# Altium PCB shepherd_pcb_v2.2.PcbDoc (part 2 of 3)
Units mm, origin at the board's own origin, x right, y up, seen from the top; angles counter-clockwise.
Board outline 75.18 x 54.61 mm, 4 copper layers (L1, L2P, L3, L4), stack 1.59 mm thick; 336 components, 223 nets, 1078 pads, 453 vias.
Unrouted connection lines stored in the file: 2.
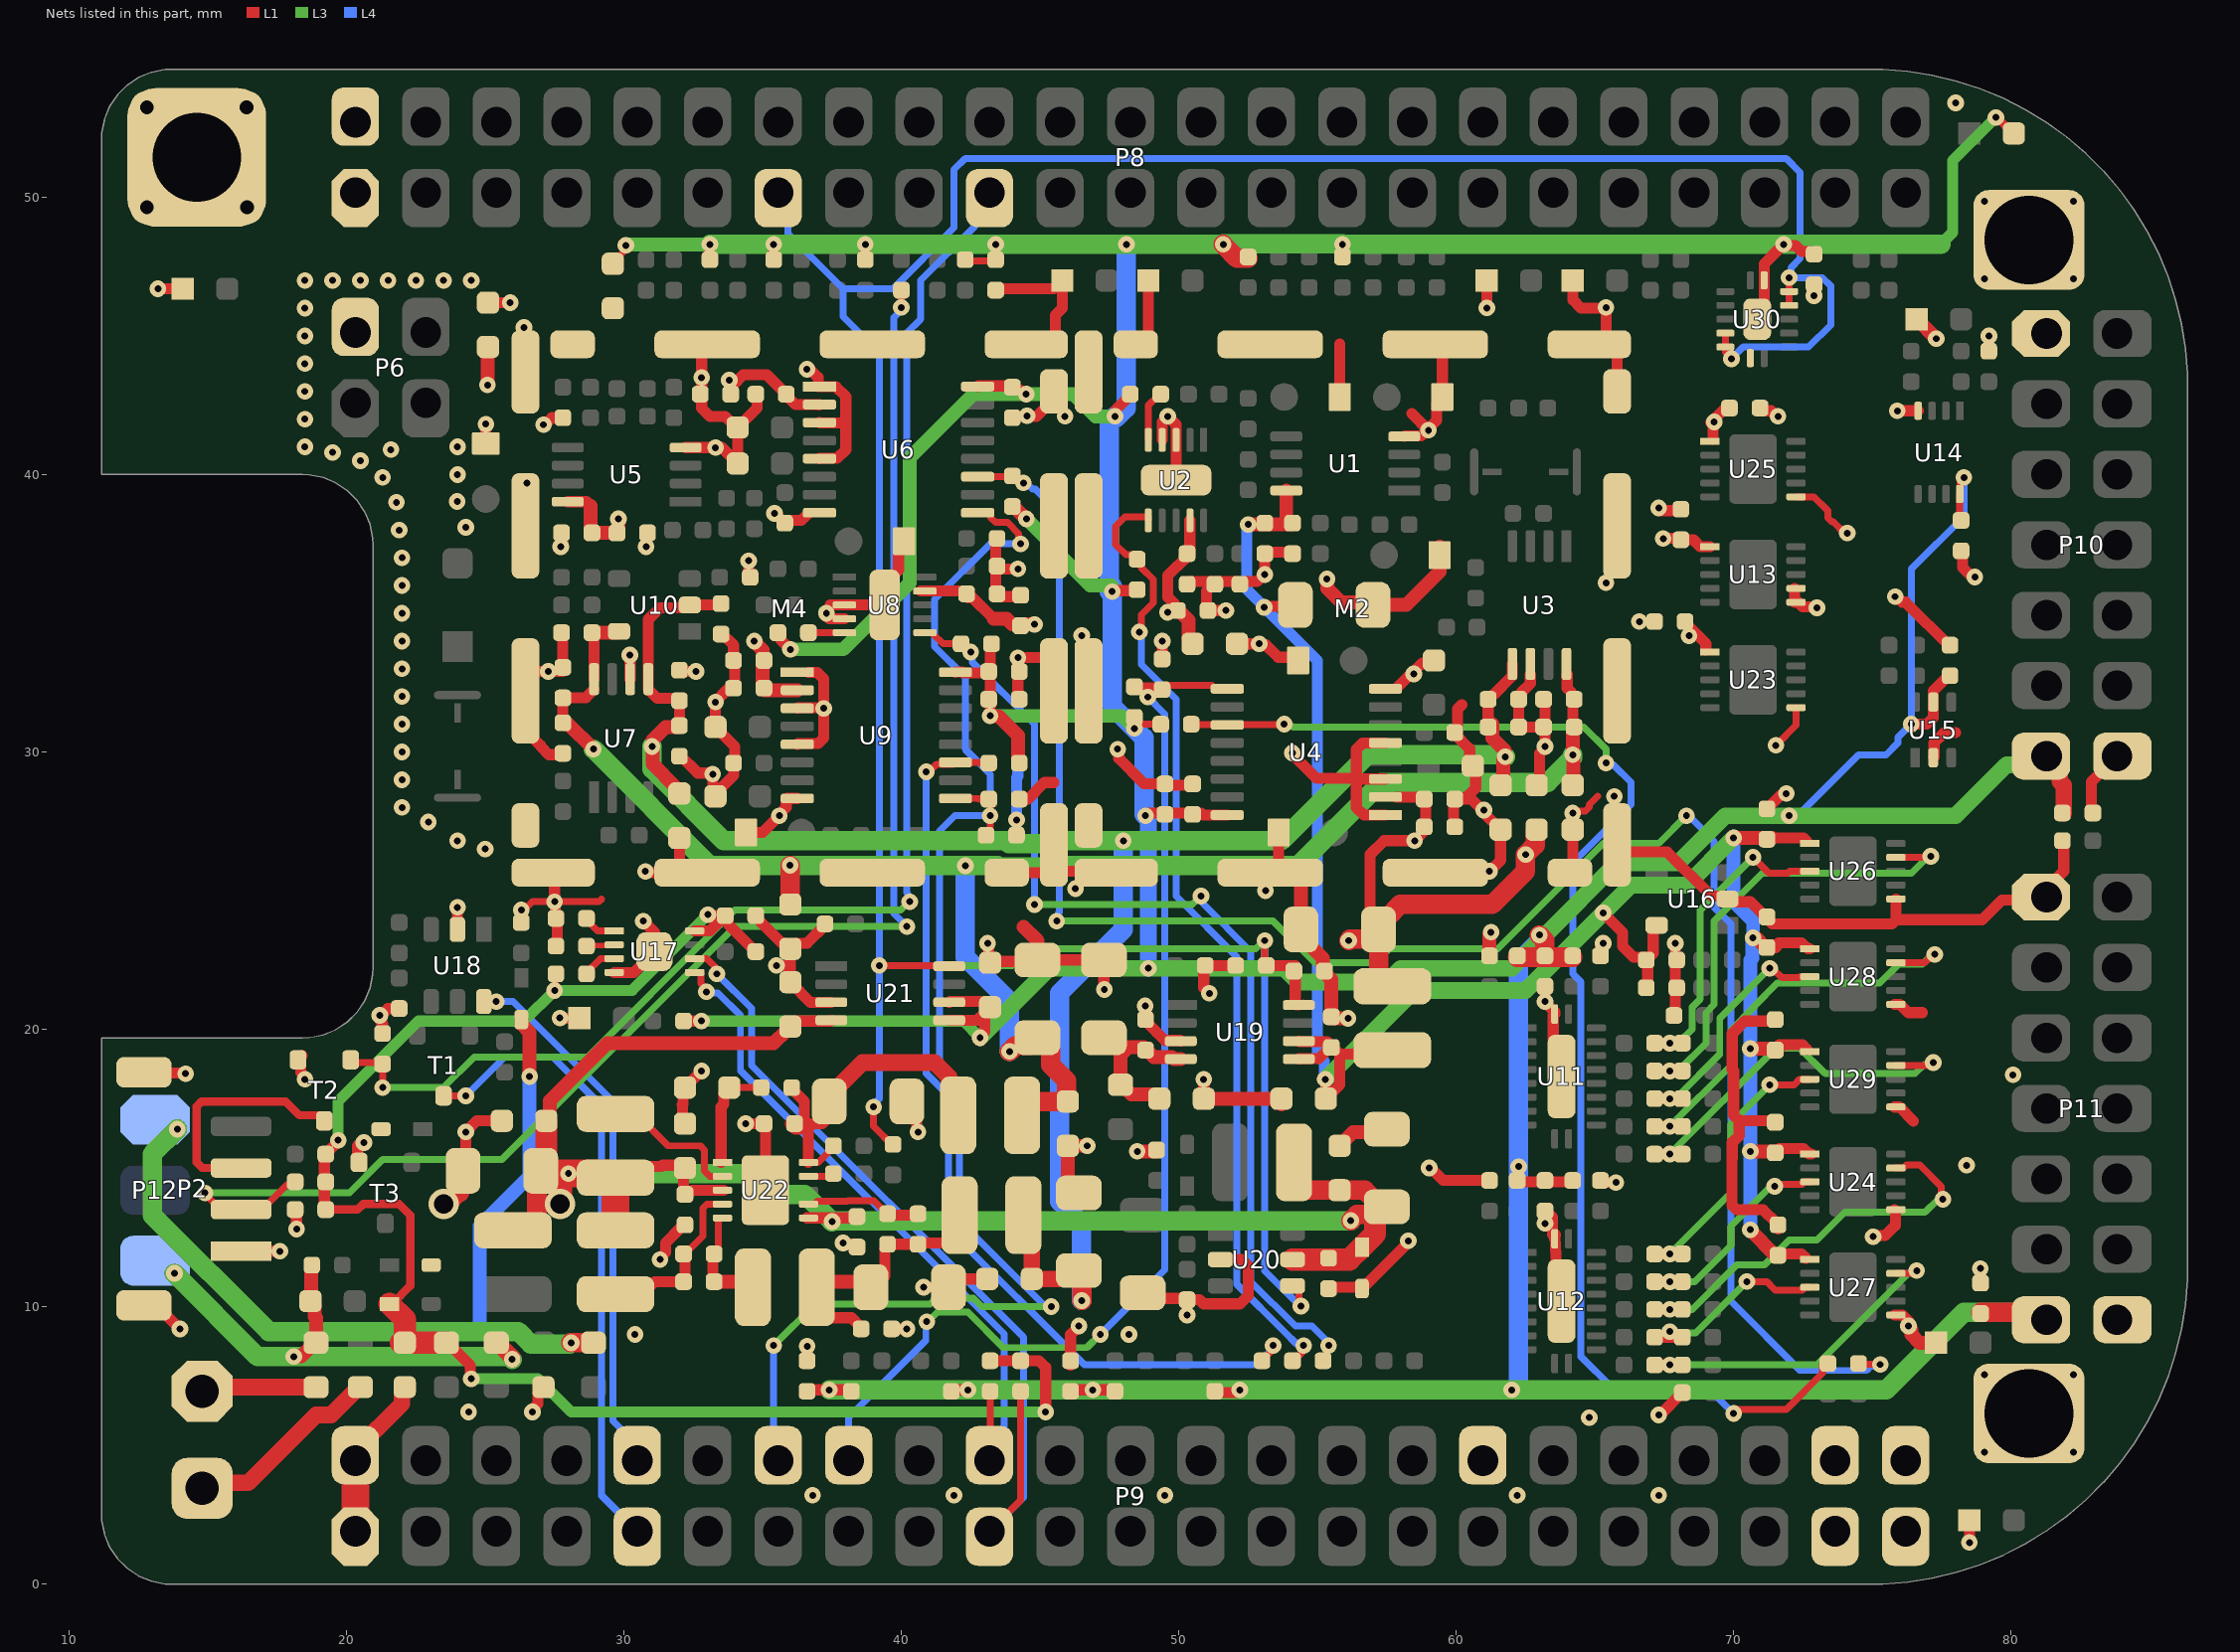
[diagram p4: the nets of this part, all layers, seen from the top]

## Part data
C1 C3 C28 C29 C34 C36 C73: library part .C_0402_1nF_50V, "Capacitor", Dielectric=C0G, Manufacturer=Murata, Manufacturer PN=GRM1555C1H102JA01D, Tolerance=5%, Distributer=Mouser, Distributer PN=81-GRM1555C1H102JA1D, Price n10 [€]=0.02, V_max=50V
C2 C4 C6 C11 C12 C14 C17 C20 C22 C27 C30 C35 C37 C43 C46 C49 C52 C54 C56 C58 C60 C62 C63 C65 C66 C67 C70 C71 C74 C78 C79 C80 C84 C85 C86 C91 C105 C108 C118 C120 C122 C123 C124 C125 C126 C127 C128 C129: library part .C_0402_100nF_16V, "Capacitor", Dielectric=X7R, Manufacturer="Taiyo Yuden", Manufacturer PN=EMF105B7104MVHF, Tolerance=20%, Distributer=Mouser, Distributer PN=963-EMF105B7104MVHF, Price n10 [€]=0.03, V_max=16V
C5 C7 C10 C13 C15 C18 C21 C23 C31 C38 C39 C42 C44 C45 C47 C50 C53 C55 C57 C59 C61 C64 C68 C69 C72 C75 C81 C98 C99 C106 C109 C113 C119 C121: library part .C_0402_1uF_25V, "Capacitor", Dielectric=X5R, Manufacturer=Murata, Manufacturer PN=GRM155R61E105KA12J, Tolerance=10%, Distributer=Mouser, Distributer PN=81-GRM155R61E105KA2J, Price n10 [€]=0.06, V_max=25V
C8 C9 C16 C19 C24 C25 C26 C32 C33 C40 C41 C48 C51 C76 C77 C87 C90 C92 C94 C95 C97 C100 C103 C107 C111 C115 C117: library part .C_0603_10uF_16V, "Capacitor", Dielectric=X5R, Manufacturer="Taiyo Yuden", Manufacturer PN=EMK107BBJ106MA-T, Tolerance=20%, Distributer=Mouser, Distributer PN=963-EMK107BBJ106MA-T, Price n10 [€]=0.14, V_max=16V
C82 C88 C89 C101 C102: library part .C_1206_100uF_6V3, "Capacitor", Dielectric=X5R, Manufacturer="Taiyo Yuden", Manufacturer PN=JMK316ABJ107ML-T, Tolerance=20%, Distributer=Mouser, Distributer PN=963-JMK316ABJ107ML-T, Price n10 [€]=0.25, V_max=6V3
C83 C110 C112 C114 C116: library part .C_1206_47uF_10V, "Capacitor", Dielectric=X5R, Manufacturer="Taiyo Yuden", Manufacturer PN=LMK316ABJ476ML-T, Tolerance=20%, Distributer=Mouser, Distributer PN=963-LMK316ABJ476ML-T, Price n10 [€]=0.23, V_max=10V
C93 C96: library part .C_0402_10nF_25V, "Capacitor", Dielectric=X7R, Manufacturer=Murata, Manufacturer PN=GCM155R71E103KA37D, Tolerance=10%, Distributer=Mouser, Distributer PN=81-GCM155R71E103KA7D, Price n10 [€]=0.02, V_max=25V
C104: library part .C_0402_47pF_50V, "Capacitor", Dielectric=C0G, Manufacturer=Kemet, Manufacturer PN=C0402C470K5GACTU, Tolerance=10%, Distributer=Mouser, Distributer PN=80-C0402C470K5G, Price n10 [€]=0.01, V_max=50V
D1: library part .D_SOD123W_710mV_1A, "Diode Si, 710mV 1A forward, 100V 40nA reverse, 50A Surge,", Manufacturer=Nexperia, Manufacturer PN=PMEG10010ELRX, Distributer=Mouser, Distributer PN=771-PMEG10010ELRX, I_max="1A / 40nA", Price n10 [€]=0.24
D2 D3 D4 D5 D6: library part .D_LED_0603_Amber, "LED Amber 610nm, 0603, 130 mcd, 2V@20mA", Manufacturer=Wuerth, Manufacturer PN=150060AS75000, Distributer=Mouser, Distributer PN=710-150060AS75000, I_max=20mA, I_typ=5mA, Price n10 [€]=0.12, V_max=2.0V, V_typ=1.9V
D7 D8 D13 D16 D17: library part .D_LED_0603_Green, "LED YellowGreen 575nm, 0603, 60mcd 2V@20mA", Manufacturer=Wuerth, Manufacturer PN=150060VS55040, Distributer=Mouser, Distributer PN=710-150060VS55040, I_max=20mA, I_typ=5mA, Price n10 [€]=0.14, V_max=2.0V, V_typ=1.85V
D9 D10 D11 D12 D14 D15: library part .D_SOD523_370mV_500mA, "Diode Si, 370mV 500mA forward, 30V 52uA reverse, 3 A Surge,", Manufacturer="On Semi", Manufacturer PN=NSR05T30XV2T5G, Distributer=Mouser, Distributer PN=863-NSR05T30XV2T5G, I_max="500mA / 52uA", P_max=350mW, Price n10 [€]=0.18
J1: library part .J_T1x2_3.5mm_Screw, "Fixed Terminal Block, Screw", Manufacturer="Phoenix Contact", Manufacturer PN=1984617, Distributer=Mouser, Distributer PN=651-1984617, I_max=17A, Price n10 [€]=0.39, V_max=160V
L1 L2 L4 L6 L10 L14: library part .L_FB_0603_Z600R_1300mA, "Ferrite Bead, 600 Ohm @ 100 MHz,", Manufacturer=Murata, Manufacturer PN=BLM18KG601SN1D, Tolerance="25 %", Distributer=Mouser, Distributer PN=81-BLM18KG601SN1D, I_max=1300mA, Price n10 [€]=0.05
L3 L7 L11 L13: library part .L_NR3015T1R5M, "Inductor, fixed, shielded, 38 mOhm", Manufacturer="Taiyo Yuden", Manufacturer PN=NR3015T1R5N, Tolerance="20 %", Distributer=Mouser, Distributer PN=963-NR3015T1R5N, I_max=1800mA, Price n10 [€]=0.20
L5 L8 L9 L12: library part .L_NR3015T150M, "Inductor, fixed, shielded, 432 mOhm", Manufacturer="Taiyo Yuden", Tolerance=20, Distributer=Mouser, Distributer PN=963-NR3015T150M, I_max=560mA, Manufacturer PN=NR3015T150M, Price n10 [€]=0.23
M2 M4: "EMI-Shield Frame, SMT, .75\"x.75\", 18x18mm, Height 5.08 mm, ~40-70 dB", Manufacturer=LeaderTech, Manufacturer PN=SMS-455-N-F, Distributer=Mouser, Distributer PN=861-SMS-455-N-F, Price n10 [€]=1.87
P2: library part .P_JST_S4B_ZR-SM4A, "CONN HEADER SMD R/A 4POS 1.5MM", Manufacturer=JST, Manufacturer PN=S4B-ZR-SM4A-TF(LF)(SN), Distributer=Digikey, Distributer PN=455-1695-1-ND, I_max=1A, Price n10 [€]=0.51, V_max=50V
P6: library part .P_HDR_2x2_2.54mm_male, "Gold, Straight, 5.80 mm Mating, 3.46 mm termination", Manufacturer=Amphenol, Manufacturer PN=861400042YO2319LF, Distributer=Mouser, Distributer PN=649-86140042YO2319LF, I_max=3A, Price n10 [€]=0.12, V_max=1kV
P8 P9: Manufacturer=Samtec, Manufacturer PN=SSQ-123-03-G-D, Distributer=Digikey, Distributer PN=SAM1196-23-ND, Price n10 [€]=6.45
P10 P11: library part .P_HDR_2x7_2.54mm_male, "Gold, Straight", Manufacturer="Amphenol FCI", Manufacturer PN=10129381-914004BLF, Distributer=Mouser, Distributer PN=649-1012938191404BLF, I_max=3A, Price n10 [€]=0.19, V_max=110V
P12: library part .P_HDR_1x3_2.54mm_jumper, "Gold", Distributer=Mouser
R1 R8: library part .R_0402_1k_SEL, "Resistor", Manufacturer=Panasonic, Manufacturer PN=ERJ-2GEJ102X, Tolerance=5%, Distributer=Mouser, Distributer PN=667-ERJ-2GEJ102X, P_max=100mW, Price n10 [€]=0.02, V_max=50V
R2: library part .R_0402_2R, "Resistor", Manufacturer=Panasonic, Manufacturer PN=ERJ-2GEJ2R0X, Tolerance=5%, Distributer=Mouser, Distributer PN=667-ERJ-2GEJ2R0X, P_max=100mW, Price n10 [€]=0.02, V_max=50V
R3 R5 R14 R15 R16 R18 R20 R24 R27 R56 R57 R59 R60 R61 R62 R63 R64 R65 R66 R67 R68 R91 R92 R93 R94 R112 R113 R114 R115 R116 R117 R118 R119 R120 R121 R122 R123: library part .R_0402_1k, "Resistor", Manufacturer=Panasonic, Manufacturer PN=ERJ-2GEJ102X, Tolerance=5%, Distributer=Mouser, Distributer PN=667-ERJ-2GEJ102X, P_max=100mW, Price n10 [€]=0.02, V_max=50V
R4 R6 R7 R11 R13 R17 R23 R26 R28 R32 R33 R34 R36 R37 R38 R39 R40 R41 R42 R43 R44 R45 R46 R47 R48 R49 R50 R51 R52 R87 R88 R89 R90 R95 R96 R97 R98 R102 R103 R107: library part .R_0402_10k, "Resistor", Manufacturer=Panasonic, Manufacturer PN=ERJ-2GEJ103X, Tolerance=5%, Distributer=Mouser, Distributer PN=667-ERJ-2GEJ103X, P_max=100mW, Price n10 [€]=0.02, V_max=50V
R9 R21: library part .R_1206_2R_0.25%, "Resistor 25 ppm/C", Manufacturer=Yageo, Manufacturer PN=RT1206CRD072RL, Tolerance=0.25%, Distributer=Mouser, Distributer PN=603-RT1206CRD072RL, P_max=250mW, Price n10 [€]=0.35, V_max=200V
R10 R22 R35 R55 R101 R105 R111: library part .R_0402_100k, "Resistor", Manufacturer=Panasonic, Manufacturer PN=ERJ-2RKF1003X, Tolerance=1%, Distributer=Mouser, Distributer PN=667-ERJ-2RKF1003X, P_max=100mW, Price n10 [€]=0.02, V_max=50V
R12 R29: library part .R_0402_210R_0.1%, "Resistor 25ppm/C", Manufacturer=Yageo, Manufacturer PN=RT0402BRD07210RL, Tolerance=0.1%, Distributer=Mouser, Distributer PN=603-RT0402BRD07210RL, P_max=62mW, Price n10 [€]=0.19, V_max=50V
R19 R58: library part .R_0402_10R, "Resistor", Manufacturer=Panasonic, Manufacturer PN=ERJ-2GEJ100X, Tolerance=5%, Distributer=Mouser, Distributer PN=667-ERJ-2GEJ100X, P_max=100mW, Price n10 [€]=0.02, V_max=50V
R25 R100 R106 R109: library part .R_0402_470R, "Resistor", Manufacturer=Panasonic, Manufacturer PN=ERJ-2GEJ471X, Tolerance=5%, Distributer=Mouser, Distributer PN=667-ERJ-2GEJ471X, P_max=100mW, Price n10 [€]=0.02, V_max=50V
R30 R53: library part .R_0402_1M, "Resistor", Manufacturer=Panasonic, Manufacturer PN=ERJ-2GEJ105X, Tolerance=5%, Distributer=Mouser, Distributer PN=667-ERJ-2GEJ105X, P_max=100mW, Price n10 [€]=0.02, V_max=50V
R31 R54 R108 R110: library part .R_0402_240k_1%, "Resistor 100ppm/C", Manufacturer=Panasonic, Manufacturer PN=ERJ-2RKF2403X, Tolerance=1%, Distributer=Mouser, Distributer PN=667-ERJ-2RKF2403X, P_max=100mW, Price n10 [€]=0.02, V_max=50V
R69 R70 R71 R72 R73 R74 R75 R76 R77 R78 R81 R84 R85 R86: library part .R_0402_33R, "Resistor", Manufacturer=Panasonic, Manufacturer PN=ERJ-2GEJ330X, Tolerance=5%, Distributer=Mouser, Distributer PN=667-ERJ-2GEJ330X, P_max=100mW, Price n10 [€]=0.02, V_max=50V
R99: library part .R_0402_24k, "Resistor", Manufacturer=Panasonic, Manufacturer PN=ERJ-2GEJ243X, Tolerance=5%, Distributer=Mouser, Distributer PN=667-ERJ-2GEJ243X, P_max=100mW, Price n10 [€]=0.02, V_max=50V
R104: library part .R_0402_576k_1%, "Resistor 100ppm/K", Manufacturer=Panasonic, Manufacturer PN=ERJ-2RKF5763X, Tolerance=1%, Distributer=Mouser, Distributer PN=667-ERJ-2RKF5763X, P_max=100mW, Price n10 [€]=0.02, V_max=50V
T1 T2 T3: library part .T_BSH105, "Transistor, nMosfet, 20 V Vds, 250 mOhm Rds, +-8V Vgs, 20 ns Fall, 4.5 ns Rise, 3.9 nC Qg, 50 nA Drain Leakage (Vds=16, Vgs=0)", Manufacturer=Nexperia, Manufacturer PN=BSH105,215, Distributer=Mouser, Distributer PN=771-BSH105215, I_max="1.0A / 50nA", P_max=410mW, Price n10 [€]=0.21, R_min=250mOhm, V_max=20V, V_min=400mV
TP1 TP2 TP3 TP4 TP5 TP6 TP7 TP8: library part Testpoint_Precision
U1 U5: "OpAmp High Precision, 30-60 mA perm, 5 V/us Slew, 7 nV/sqrtHz NoiseDist, 0.25 uV Offset, Z_id 100 MOhm, Z_ic 60 TOhm", Manufacturer=TI, Manufacturer PN=OPA2388IDGKR, Distributer=Mouser, Distributer PN=595-OPA2388IDGKR, Price n10 [€]=2.63, V_max=5.5V, V_min=2.5V
U2 U8: library part DAC8562-DSC, "DAC, 2 CH, 10 us Settling, 16 bit Res, 50 MHz SPI", Manufacturer=TI, Manufacturer PN=DAC8562SDSCR, Distributer=Mouser, Distributer PN=595-DAC8562SDSCR, Price n10 [€]=6.73, V_max=5.5V, V_min=2.7V
U3 U7: "Low Noise InAmp,  / 134 dB CMRR @ G100, f60Hz / 0.1 % Gain Error / 10 ppm Gain NonLin / 65mA max Output", Manufacturer=Analog, Manufacturer PN=AD8421BRMZ, Distributer=Mouser, Distributer PN=584-AD8421BRMZ, I_max=2.3mA, Price n10 [€]=8.10, V_max=18V, V_min=2.5V
U4 U6 U9: "ADC, 1CH, 18 Bit, 1 MS/s, 50 MHz SPI, 335 ns Acq & 665 ns Conv", Manufacturer=TI, Manufacturer PN=ADS8691IPWR, Distributer=Mouser, Distributer PN=595-ADS8691IPWR, Price n10 [€]=8.5, V_max=5.25V, V_min=1.65V
U10: library part OPA189-DBV, "OpAmp High Precision, +-65 mA perm, 20 V/us Slew, 5 nV/sqrtHz NoiseDist, Z_id 100 MOhm, Z_ic 60 TOhm, Iq ~ 1.7 mA", Manufacturer=TI, Manufacturer PN=OPA189IDBVR, Distributer=Mouser, Distributer PN=595-OPA189IDBVR, Price n10 [€]=2.02, V_max=36V, V_min=4.5V
U11 U12: "Level Translator, 8CH, auto direction sensing, open drain, VCCA 1.2-3.6V, VCCB 1.65-5.5V, 40-110 Mbps, 1-5uA leakage", Manufacturer=Nexperia, Manufacturer PN=LSF0108BQX, Distributer=Mouser, Distributer PN=771-LSF0108BQX, Price n10 [€]=0.59, V_max=5V, V_min=0.95V
U13 U23 U24 U25 U26 U27 U28 U29: library part NLAS4684-MN, "Analog Switch, Dual SPDT, 500 mOhm Rds, 300 mA continuous, 500 mA peak, <10 nA Leakage (1 nA for -55 to 25°C)", Manufacturer="ON Semi", Manufacturer PN=NLAS4684MNR2G, Distributer=Mouser, Distributer PN=863-NLAS4684MNR2G, I_max="300 mA", Price n10 [€]=0.63, V_max=5.5, V_min=1.8V
U14: "Logic Gate, 2-Channel 2-Input AND Gate, 25 mA IOut max, SMALLER", Manufacturer=Toshiba, Manufacturer PN=TC7WH08FK,LJ(CT, Distributer=Mouser, Distributer PN=757-TC7WH08FKLJCT, I_max=40uA, Price n10 [€]=0.24, V_max=5.5V, V_min=2V
U15: "Inverter Dual, Buffered, I_out +- 25mA max,", Manufacturer=Nexperia, Manufacturer PN=74HC2G04GW,125, Distributer=Mouser, Distributer PN=771-HC2G04GW125, I_max=400uA, Price n10 [€]=0.21, V_max=6.0V, V_min=2.0V
U16: library part OPA388-DBV, "OpAmp High Precision, 30-60 mA perm, 5 V/us Slew, 7 nV/sqrtHz NoiseDist, 0.25 uV Offset, Z_id 100 MOhm, Z_ic 60 TOhm", Manufacturer=TI, Manufacturer PN=OPA388IDBVR, Distributer=Mouser, Distributer PN=595-OPA388IDBVR, Price n10 [€]=1.80, V_max=5.5V, V_min=2.5V
U17: library part CAT24C256-HU4, "EEPROM 256-Kb I2C, 1 MHz max", Manufacturer="ON Semi", Manufacturer PN=CAT24C256HU4IGT3, Distributer=Mouser, Distributer PN=863-CAT24C256HU4IGT3, I_max=1mA, Price n10 [€]=0.36, V_max=5.5V, V_min=1.8V
U18: "Watchdog Timer, 100ms to 2h, 320 ms Reset Pulse, 20 ms Wake Pulse", Manufacturer=TI, Manufacturer PN=TPL5010DDCR, Distributer=Mouser, Distributer PN=595-TPL5010DDCR, I_max=35nA, Price n10 [€]=0.62, V_max=5.5V, V_min=1.8V
U19: "VoltageRegulator, UltraLowNoise LDO, 500mA, 60 dB RippleRejection, 18 uV RMS Noise,", Manufacturer=TI, Manufacturer PN=LP2989AIMM-5.0/NOPB, Distributer=Mouser, Distributer PN=926-LP2989AIMM50NOPB, I_max=500mA, Price n10 [€]=2.05, V_max=16V, V_min=2.1V
U20: "VoltageRegulator, 1.2 MHz Boost with integrated 88 mOhm Mosfet, 270 uA quiescent, 3-6V Output", Manufacturer=MPS, Manufacturer PN=MP3221GJ-Z, Distributer=Mouser, Distributer PN=946-MP3221GJ-Z, I_max=2.7A, Price n10 [€]=1.33, V_max=6V, V_min=2,5V
U21: "VoltageRegulator, UltraLowNoise LDO, 500mA, 60 dB RippleRejection, 18 uV RMS Noise,", Manufacturer=TI, Manufacturer PN=LP2989IMM-3.3/NOPB, Distributer=Mouser, Distributer PN=926-LP2989IMM3.3NOPB, I_max=500mA, Price n10 [€]=2.27, V_max=16V, V_min=2.1V
U22: "Voltage Regulator, Switching, Boost and Inverting, 2MHz / R1=(Vp-1.23V)/25uA / R2=-Vn/25uA", Manufacturer=Analog, Manufacturer PN=LT3487EDD#TRPBF, Distributer=Mouser, Distributer PN=584-LT3487EDD#TRPBF, I_max=3.7mA, Price n10 [€]=2.72, V_max=16V, V_min=2.3V
U30: library part 74HC4066BQ, "Quad single-pole single-throw analog switch, CMOS", Manufacturer=Nexperia, Manufacturer PN=74HC4066BQ,115, Distributer=Mouser, Distributer PN=771-HC4066BQ115, Price n10 [€]=0.27, R_min="50 Ohm", V_max=10V, V_min=2V

## Via types
v1: diameter 0.6, hole 0.25, L1 to L4, 447 vias
v2: diameter 1.2, hole 0.5, L1 to L4, 4 vias
v3: diameter 1.1, hole 0.7, L1 to L4, 2 vias

## Nets (pads, with @x,y where several pads share a name; then routed paths per layer and width w, separated by ;. In a path a pad name is that pad's centre, name@x,y a point inside that pad or via, vN(x,y) a via of type N, cw(c..) or ccw(c..) an arc to the next point about the centre after c; other vN are vias at no path point)
3V3_BB: C77.2 C78.2 C80.2 D10.1 L1.2 R87.2 R88.2 R89.2 R90.2 R97.2 R100.1 U17.8 | length 61.4
  L1 w0.25: v1(27.5,21.4) 27.525,21.425 27.525,21.975 R90.2@27.55,22
  L1 w0.3: C80.2@19.2,13.5 C80.2@19.25,13.5 20.4,13.5 20.6,13.7 21.9,13.7 22.3,13.3 22.3,10.75 21.65,10.1 D10.1@21.55,10.1
  L1 w0.4: C80.2@19.2,13.5 R100.1@19.2,15.5 ; R100.1@19.25,15.5 19.7,15.95 v1(19.7,16) ; L1.2@23.6,8.7 23.65,8.7 24.462,7.888 24.462,7.438 v1(24.5,7.4) ; U17.8@32.55,23.55 32.553,23.553 33.103,23.553 C78.2@33.65,24.1 ; v1(33.029,24.136) 33.065,24.1 C78.2@33.65,24.1 ; R89.2@34.75,22.8 33.75,23.8 33.75,24 C78.2@33.65,24.1 ; R88.2@43.2,8.05 R87.2@44.3,8.05 44.966,8.05 45.2,7.816 v1(45.2,6.2)
  L1 w0.8: D10.1@21.55,10.1 22.1,9.55 C77.2@22.1,8.7 ; C77.2@21.95,8.7 C77.2@22.1,8.7 ; L1.2@23.6,8.7 C77.2@22.1,8.7
  L3 w0.4: v1(19.7,16) 19.7,17.4 22.6,20.3 26.4,20.3 v1(27.5,21.4) 30.292,21.4 v1(33.029,24.136) ; v1(24.5,7.4) 26.9,7.4 28.1,6.2 v1(45.2,6.2)
5V: C91.2 C92.2 C94.2 C101.2 C102.2 C103.2 C105.2 C106.1 C107.2 D12.1 L3.2 L5.1 L8.1 L9.1 U20.5 U21.4 U22.3 U22.6 | length 68.5
  L1 w0.4: L8.1@29.7,14.65 30.102,15.052 31.352,15.052 31.4,15.1 32.1,15.1 32.15,15.05 32.15,14.05 32.2,14 32.325,14.125 32.396,14.125 32.471,14.2 U22.3@33.6,14.2 ; C94.2@35.9,20 C94.2@36,20.1 36,20.2 36.1,20.3 37.45,20.3 U21.4@37.475,20.325 ; U22.6@36.6,13.2 U22.6@36.65,13.2 v1@37.525,13.2 ; v1(37.504,13.063) 37.525,13.084 v1@37.525,13.2 ; C106.1@38.4,13.2 v1@37.525,13.2
  L1 w0.5: C103.2@27.2,16.7 27.322,16.822 27.322,17.422 29.4,19.5 35.4,19.5 35.85,19.95 C94.2@35.9,20
  L1 w0.7: L3.2@26,12.75 26.562,12.75 26.862,13.05 C101.2@26.862,14.763 ; v3(27.7,13.7) 27.777,13.777 27.777,14.577 v1(28,14.8) ; L9.1@29.65,12.8 L9.1@29.7,12.75 ; L5.1@54.15,14.5 54.45,14.2 55.2,14.2 C92.2@55.8,14.2 56.7,14.2 57.3,13.6 C102.2@57.5,13.6 57.225,13.325 57.075,13.325 56.425,13.325 v1(56.2,13.1)
  L1 w0.8: C101.2@27.2,15.1 C103.2@27.2,16.7 ; U20.5@54.1,11.7 56.15,11.7 D12.1@56.6,12.15 57.075,12.625 57.075,13.325 57.075,13.375 C102.2@57.3,13.6
  L1 w1: C101.2@27,14.9 27,14.767 27.033,14.8 v1(28,14.8) 29.55,14.8 L8.1@29.7,14.65 L9.1@29.7,12.65
  L3 w0.7: v1(28,14.8) 34.681,14.8 35.431,14.05 36.518,14.05 v1@37.468,13.1 ; v1(37.504,13.063) v1@37.468,13.1 ; v1(56.2,13.1) v1@37.468,13.1
5V_BB: L4.2 P12.1 | length 21.3
  L1 w0.7: v1(28.099,8.698) 28.101,8.7 L4.2@28.9,8.7
  L3 w0.7: v1(13.9,16.4) 13,15.5 13,13.3 17.2,9.1 26.198,9.1 26.648,8.65 28.051,8.65 v1(28.099,8.698)
5V_Ext_2: J1.1 L10.1 | length 4.8
  L1 w0.4: L10.1@18.65,6.9 18.85,7.1 L10.1@18.9,7.1
  L1 w0.6: J1.1@14.8,6.95 14.95,7.1 16.6,7.1 L10.1@18.85,7.1
  L1 w0.7: J1.1@14.8,6.95 J1.1@15.145,6.95
5V_In: C100.2 D9.2 L2.1 L10.2 P12.3 R107.2 | length 31.8
  L1 w0.5: v1(18.1,8.2) 18.119,8.219 18.369,8.219 18.85,8.7 L10.2@18.9,8.7 18.9,9.6 18.85,9.65 18.85,10.05 C100.2@18.7,10.2 18.725,10.225 18.725,11.475 R107.2@18.75,11.5 ; D9.2@26.3,20.35 26.3,20.193 26.6,19.893 v1(26.6,18.3)
  L1 w0.6: L2.1@25.4,8.7 25.45,8.7 25.971,8.179 v1(25.971,8.1)
  L3 w0.7: v1(13.8,11.2) 16.8,8.2 25.871,8.2 v1(25.971,8.1)
  L4 w0.5: v1(25.971,8.1) 25.952,8.119 25.952,8.148 24.8,9.3 24.8,12.9 26.6,14.7 v1(26.6,18.3)
6V: C83.2 C85.2 C90.2 L6.2 U19.4 | length 6.2
  L1 w0.5: C83.2@47.3,19.7 47.636,19.364 48.186,19.364 ; C90.2@49.3,17.5 49.15,17.65 48.3,17.65 47.95,18 L6.2@47.9,18 47.9,19.077 48.186,19.364 ; U19.4@50.075,18.925 49.825,18.925 49.75,19 49.1,19 48.736,19.364 48.186,19.364
10V: C14.2 C15.2 C16.2 C44.2 C46.2 C47.2 C48.2 C111.2 C112.2 L13.2 U3.8 U7.8 U10.5 | length 64
  L1 w0.4: C47.2@27.8,31.05 C46.2@27.8,31.95 28.625,31.95 U7.8@28.925,32.25 ; C44.2@28.8,34.3 28.925,34.175 U7.8@28.925,32.625 ; U3.8@64,32.8 64,32.3 64.15,32.15 64.15,31.95 64.2,31.9 C15.2@64.2,31
  L1 w0.5: C47.2@27.8,31.05 27.85,31 28,31 v1(28.9,30.1) ; C44.2@28.8,34.3 29.775,34.3 U10.5@29.825,34.35 ; C15.2@64.2,31 v1(64.2,29.9) 64.219,29.881 64.219,28.881 C48.2@64.3,28.8
  L1 w0.7: v1(35.988,25.913) 36,25.9 C16.2@36,24.7 ; v1(43.9,19.2) 44.125,19.425 44.625,19.425 C112.2@44.9,19.7 45.1,19.7 45.375,19.425 45.375,18.725 45.95,18.15 45.95,17.45 C111.2@46,17.4 44.65,17.4 44.35,17.1 L13.2@44.35,16.9
  L3 w0.7: v1(28.9,30.1) 33.1,25.9 43.467,25.9 43.517,25.85 45.919,25.85 45.969,25.9 54.3,25.9 57.3,28.9 63.3,28.9 64.2,29.8 v1(64.2,29.9)
  L4 w0.7: v1(42.306,25.9) 42.306,22.594 43.9,21 v1(43.9,19.2)
-6V: C17.2 C18.2 C19.2 C45.2 C49.2 C50.2 C51.2 C115.2 C116.2 L11.2 U3.5 U7.5 U10.2 | length 73.2
  L1 w0.4: C50.2@32,30.9 32,31.9 31.959,31.941 31.194,31.941 30.875,32.26 30.875,34.775 31.3,35.2 32.275,35.2 U10.2@32.375,35.3 C45.2@33.5,35.3 ; C115.2@44.694,10.994 C115.2@44.7,11 ; C18.2@61.15,30.9 C17.2@61.15,31.9 ; C17.2@61.35,32.07 62.025,32.745 U3.5@62.025,33.175
  L1 w0.5: C51.2@32,28.5 31.85,28.65 31.85,28.75 31.033,29.567 31.033,30.181 v1(31.014,30.2) 31.033,30.219 31.033,30.433 31.5,30.9 C50.2@32,30.9 ; C18.2@61.3,31 61.3,30.5 61.752,30.048 61.752,29.848 v1(61.771,29.829) 61.771,29.802 61.7,29.73 C19.2@61.7,28.8
  L1 w0.6: L11.2@44.4,13.3 44.7,13 C115.2@44.7,11 46.1,11 C116.2@46.4,11.3
  L1 w0.7: C116.2@46.4,11.3 46.502,11.198 v1(46.502,10.22)
  L3 w0.7: v1(31.014,30.2) 31.014,29.386 33.6,26.8 43.769,26.8 43.869,26.7 45.567,26.7 45.667,26.8 53.7,26.8 56.8,29.9 61.7,29.9 v1(61.771,29.829)
  L4 w0.7: v1(46.502,10.22) 46.5,10.222 46.5,13 45.7,13.8 45.7,21.3 48,23.6 v1(48,26.8)
A5V: C10.2 C11.2 C22.2 C23.2 C24.2 C25.2 C26.2 C42.2 C43.2 C54.2 C55.2 C58.2 C59.2 C60.2 C61.2 C70.2 C89.2 C127.2 C128.2 L7.2 U2.9 U4.2 U5.8 U6.2 U8.9 U9.2 U13.1 U23.1 U25.1 | length 46
  L1 w0.4: U5.8@27.975,39.025 28.654,39.025 28.8,38.879 ; C55.2@33.8,42.9 33.8,43.25 v1(33.8,43.4) ; v1@33.95,43.25 34.3,43.6 35.15,43.6 35.75,43 C54.2@35.85,42.9 ; 35.4,32.2 35.425,32.225 ; C54.2@35.825,42.925 35.825,42.875 36.175,42.525 U6.2@37.05,42.525 U6.2@37.038,42.512 ; U8.9@40.7,35.8 U8.9@40.85,35.8 42.15,35.8 C43.2@42.4,35.55 ; C43.2@42.35,35.7 42.45,35.6 42.523,35.6 43.323,34.8 ; v1(49.596,35.032) 49.63,35.066 49.916,35.066 C10.2@49.95,35.1 49.85,35.2 49.85,35.334 49.6,35.584 49.6,36.357 49.943,36.7 49.966,36.7 50.2,36.934 50.2,37.05 50.25,37.1 50.4,37.1 U2.9@50.4,38.35 ; C89.2@57.2,23.6 56.9,23.9 56.9,26.3 57.4,26.8 v1(58.5,26.8) 58.9,27.2 58.9,28.3 58.825,28.375 U4.2@57.85,28.375 ; v1(67.461,37.695) 67.466,37.7 68.1,37.7 68.15,37.65 68.55,37.65 68.8,37.4 U13.1@69.15,37.4 ; C127.2@68.2,34.7 v1@68.55,34.35 ; v1(68.394,34.185) 68.394,34.194 v1@68.55,34.35 ; U23.1@69,33.675 69,33.9 v1@68.55,34.35 ; v1@69.175,41.875 69.65,42.35 C128.2@69.85,42.35 ; U25.1@69.262,41.275 69.262,41.862 v1(69.3,41.9)
  L1 w0.5: v1(25.082,43.232) v1@25.091,43.241 ; v1@25.1,43.249 v1@25.091,43.241 ; C24.2@25.1,44.6 25.091,44.591 v1@25.091,43.241 ; 28.8,38.879 28.8,37.9 29.8,37.9 v1(29.8,38.4) ; v1(34.7,34) 34.7,33.973 35,33.673 35,32.3 35.075,32.225 35.425,32.225 U9.2@36.25,32.225 ; C43.2@42.4,35.65 C43.2@42.4,35.7 ; 43.323,34.8 43.8,34.8 44,34.6 44.3,34.6 v1(44.8,34.6) ; C10.2@50,35.1 50.35,34.75 50.35,34.05 C25.2@50.5,33.9
  L1 w0.7: v1(56.125,23.2) 56.175,23.25 56.925,23.25 57.2,23.525 C89.2@57.2,23.6 57.2,23.8 57.475,24.075 57.55,24.075 57.975,24.5 61.3,24.5 62.5,25.7 v1(62.5,26.3) 62.85,26.65 62.85,27.15 C26.2@62.9,27.2 ; C89.2@57.2,23.15 57.2,21.85 57.5,21.55 L7.2@57.7,21.55
BAT_OK: R52.1 R123.2 U29.3 | length 10.2
  L1 w0.25: v1(67.7,11.9) R52.1@68.15,11.9 R52.1@68.2,11.9 ; v1(71.3,18) 72.181,18 72.381,18.2 U29.3@72.75,18.2
  L1 w0.4: R123.2@67.15,11.9 v1(67.7,11.9)
  L3 w0.25: v1(67.7,11.9) 69.9,14.1 69.9,16.6 v1(71.3,18)
BB_R\E\S\: P9.10 U18.6 | length 19.5
  L1 w0.25: U18.6@24.95,21 v1(25.4,21)
  L4 w0.25: v1(25.4,21) 26,21 29.6,17.4 29.6,5.887 30.48,5.007 P9.10@30.48,4.445
BB_S\T\A\R\T\: P9.9 T1.3 | length 22.9
  L1 w0.25: T1.3@23.5,17.6 v1(24.3,17.6)
  L4 w0.25: v1(24.3,17.6) 25.7,19 27.434,19 29.2,17.234 29.2,3.185 P9.9@30.48,1.905
BTN_LED: P8.19 R102.2 T2.1 | length 50.9
  L1 w0.25: T2.1@20.15,18.9 20.25,18.8 T2.1@20.3,18.8 ; T2.1@20.323,18.69 20.3,18.714 T2.1@20.3,18.8 ; v1@21.205,17.9 v1(21.3,17.9) 21.3,18.8 20.6,18.8 T2.1@20.3,18.8
  L3 w0.25: v1(21.3,17.9) 23.5,17.9 24.6,19 28.7,19 33.261,23.561 33.267,23.561 33.604,23.898 33.604,23.904 34,24.3 39.979,24.3 40.279,24.6 v1(40.3,24.6)
  L4 w0.25: v1(40.3,24.6) 40.233,24.667 40.233,24.888 40.2,24.921 40.2,45.1 40.7,45.6 40.7,47 42.64,48.94 42.64,49.625 P8.19@43.18,50.165
BTN_LED_OD_8: P2.3 T2.3 | length 8.7
  L1 w0.3: P2.3@16.2,15 14.8,15 14.6,15.2 14.6,17.224 14.776,17.4 17.8,17.4 18.3,16.9 19.05,16.9 19.2,16.75 T2.3@19.2,16.7
BTN_SENSE: P2.2 R63.2 R97.1 | length 56.6
  L1 w0.25: v1(14.9,14.1) 14.9,14.075 15.475,13.5 16.95,13.5 17.846,14.396 18.096,14.396 R97.1@18.2,14.5 ; v1(40,46.025) R63.2@40,46.7
  L3 w0.25: v1(14.9,14.1) 20.1,14.1 21.3,15.3 25.6,15.3 34.005,23.705 v1(40.2,23.705)
  L4 w0.25: v1(40,46.025) 40,45.93 39.725,45.655 39.725,24.184 40.2,23.709 v1(40.2,23.705)
C\L\R\_eDAC_5: R7.1 U2.5 | length 1.8
  L1 w0.25: U2.5@48.9,41.25 48.9,42.5 49.2,42.8 R7.1@49.3,42.8
C\L\R\_rDAC_4: R28.1 U8.5 | length 1.5
  L1 w0.25: R28.1@36.7,34.4 36.6,34.3 U8.5@37.95,34.3
CS_ADC1_REC: R17.1 R84.2 U6.11 | length 69.4
  L1 w0.25: U6.11@42.75,39.925 43.975,39.925 R17.1@44,39.95 ; R17.1@43.925,39.975 44.11,39.79 44.215,39.79 44.305,39.7 v1(44.4,39.7) ; R84.2@74.5,7.9 74.533,7.933 75.267,7.933 v1(75.284,7.916)
  L3 w0.25: v1(45.6,23.9) 53.4,23.9 54.9,22.4 57.1,22.4 57.6,22.9 61.5,22.9 65.3,26.7 67.3,26.7 v1(68.3,27.7)
  L4 w0.25: v1(44.4,39.7) 44.495,39.7 44.722,39.473 44.827,39.473 45.7,38.6 45.7,24.221 45.667,24.188 45.667,23.967 v1(45.6,23.9) ; v1(68.3,27.7) 68.373,27.7 69.3,26.773 69.3,24.4 69.9,23.8 69.9,10.2 72.4,7.7 74.786,7.7 74.935,7.849 75.217,7.849 v1(75.284,7.916)
CS_ADC2_REC: R26.1 R70.2 U9.11 | length 34.2
  L1 w0.25: v1(40.901,29.286) 40.996,29.286 41.27,29.56 41.885,29.56 U9.11@41.95,29.625 42.775,29.625 42.8,29.6 R26.1@43.2,29.6 ; R70.2@53,8 53,8.064 53.333,8.397 53.333,8.533 v1(53.4,8.6)
  L4 w0.25: v1(40.901,29.286) 40.901,18.4 41.7,17.601 41.7,12.8 46.6,7.9 52.913,7.9 53.09,8.077 53.09,8.195 53.4,8.505 v1(53.4,8.6)
CS_ADC_EMU: R11.2 R81.2 U4.11 | length 49.3
  L1 w0.25: R11.2@50.412,30.987 51.738,30.987 U4.11@51.75,30.975 51.763,30.987 53.787,30.987 v1(53.8,31) ; v1(69.999,6.148) 70,6.149 70,6.3 71.9,6.3 73.2,7.6 R81.2@73.2,7.95
  L3 w0.25: v1(53.8,31) 53.867,30.933 54.088,30.933 54.121,30.9 64.6,30.9 65.4,30.1 v1(65.4,29.6)
  L4 w0.25: v1(65.4,29.6) 65.467,29.533 65.667,29.533 66.3,28.9 66.3,28.1 64.2,26 64.2,22 64.5,21.7 64.5,8.2 65.6,7.1 69.047,7.1 v1(69.999,6.148)
CS_DAC_EMU: R4.1 R71.2 U2.6 | length 35.4
  L1 w0.25: R4.1@48.5,37.1 48.49,37.11 48.09,37.11 47.725,37.475 47.725,38.138 48.062,38.475 48.9,38.475 U2.6@48.9,38.35 ; R4.1@48.536,36.9 48.66,36.777 48.66,36.633 49.075,36.217 49.075,35.375 48.644,34.944 48.644,34.394 v1(48.577,34.327) ; R71.2@54.1,7.9 54.1,8 54.433,8.333 54.433,8.533 v1(54.5,8.6)
  L4 w0.25: v1@48.577,34.527 48.644,34.46 48.644,33.156 49.9,31.9 49.9,24.8 52.1,22.6 52.1,10.8 53.834,9.066 54.233,8.667 54.433,8.667 v1(54.5,8.6)
CS_DAC_REC: R23.1 R73.2 U8.6 | length 37.4
  L1 w0.25: U8.6@41.1,34.3 41.15,34.3 41.15,34.25 41.5,33.9 42.2,33.9 42.3,33.8 v1(42.5,33.6) ; R73.2@55.2,7.9 55.325,8.025 55.325,8.23 55.333,8.238 55.333,8.533 v1(55.4,8.6) ; v1(42.5,33.6) 42.6,33.5 v1(42.5,33.6)
  L3 w0.25: v1(44.8,24.5) 50.479,24.5 50.779,24.8 v1(50.8,24.8)
  L4 w0.25: v1(42.5,33.6) 42.567,33.533 42.567,33.233 44.8,31 v1(44.8,24.5) ; v1(50.8,24.8) 50.867,24.733 50.867,24.533 52.6,22.8 52.6,10.9 54.2,9.3 54.8,9.3 55.116,8.984 55.116,8.979 55.4,8.695 v1(55.4,8.6)
EEA0_8: R96.2 U17.1 | length 1.2
  L1 w0.25: R96.2@28.6,24 29.05,23.55 U17.1@29.65,23.55